# Altium PCB Electronic Load 20251104.PcbDoc (part 1 of 4)
Units mm, origin at the board's own origin, x right, y up, seen from the top; angles counter-clockwise.
Board outline 206 x 70 mm, 6 copper layers (L1, L2, L3, L4, L5, L6), stack 1.609 mm thick; 684 components, 363 nets, 1727 pads, 147 vias.
Unrouted connection lines stored in the file: 1081.
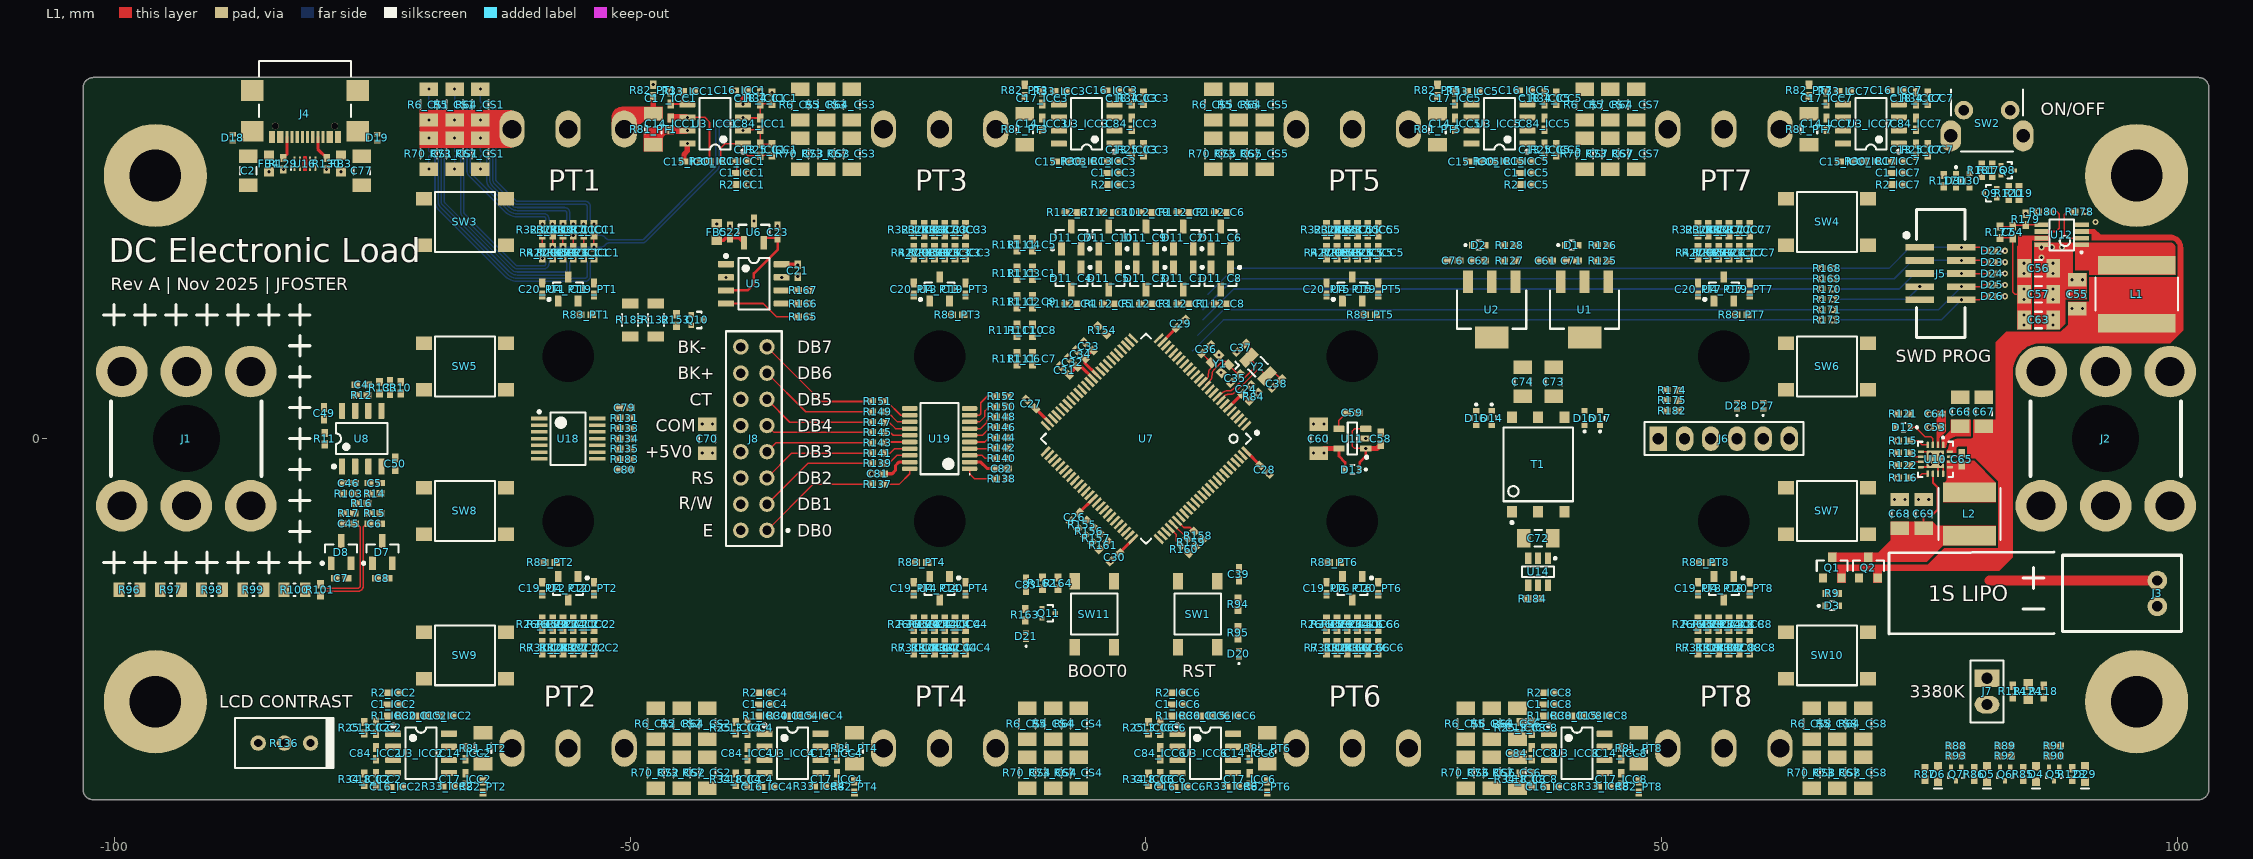
[diagram p0: L1 view]
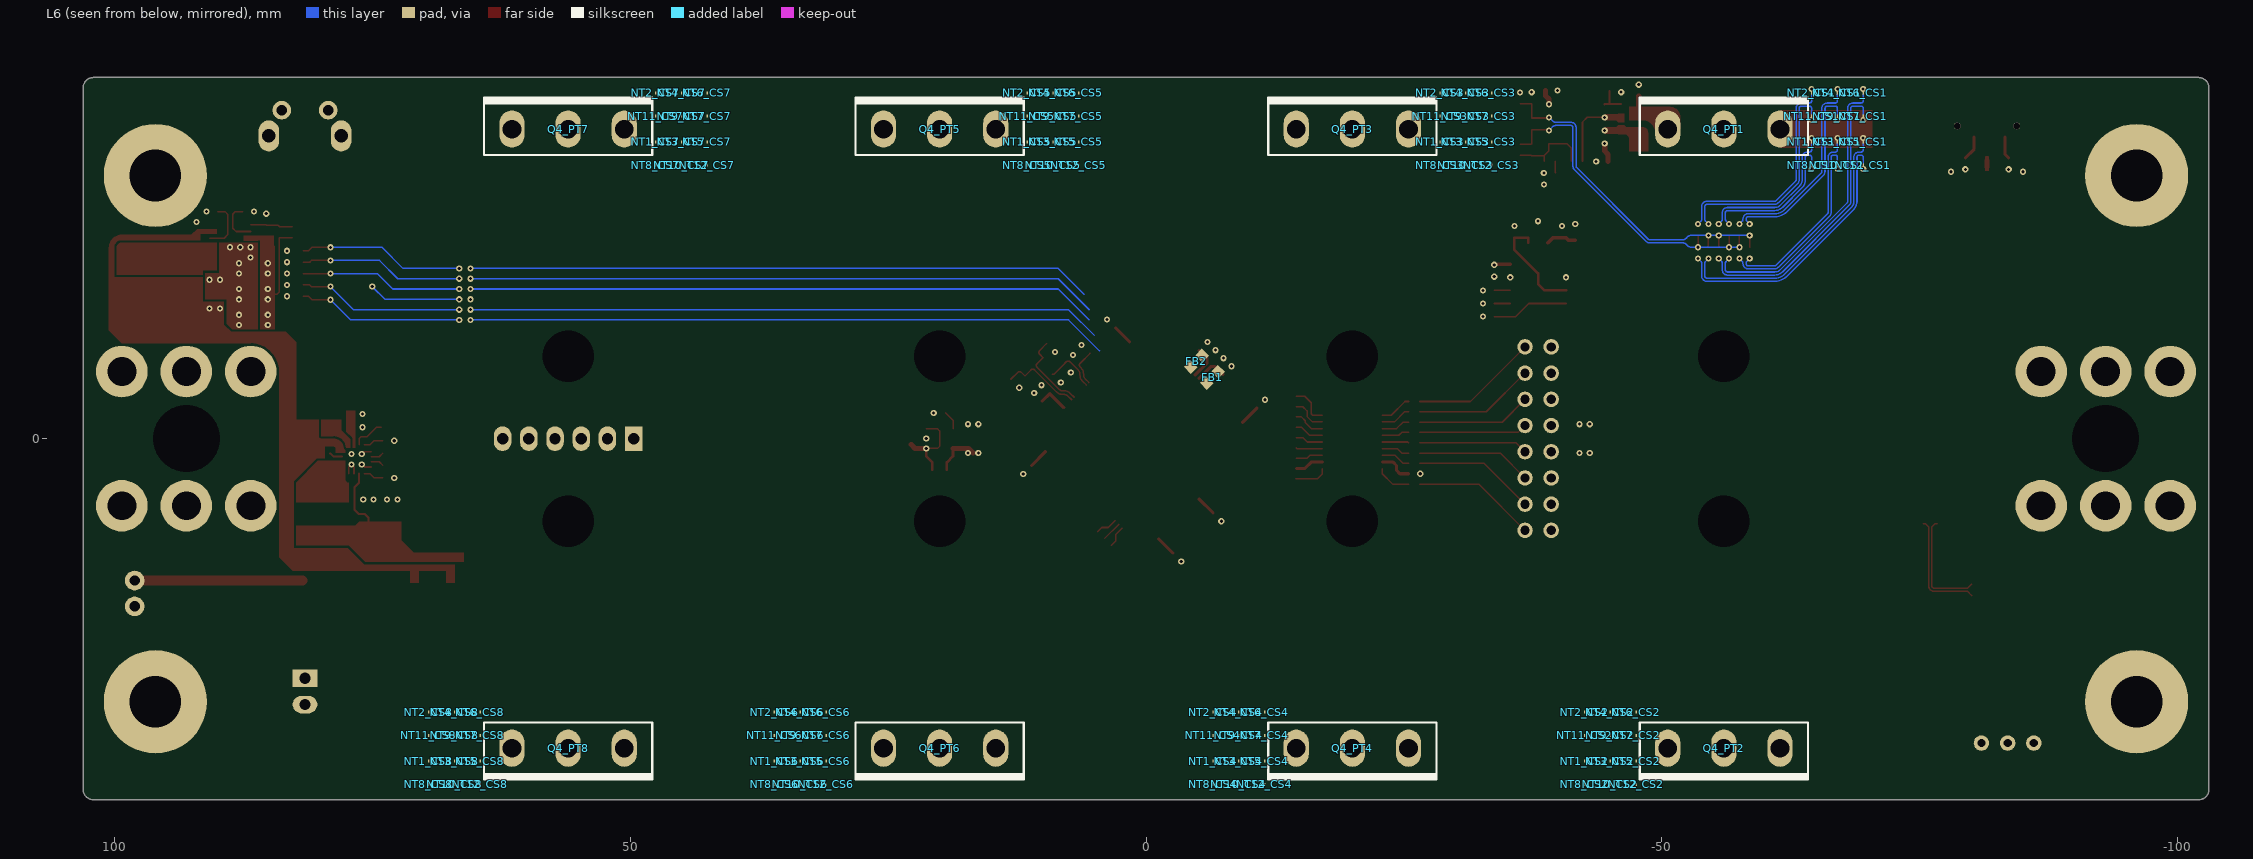
[diagram p1: L6 view, seen from below]
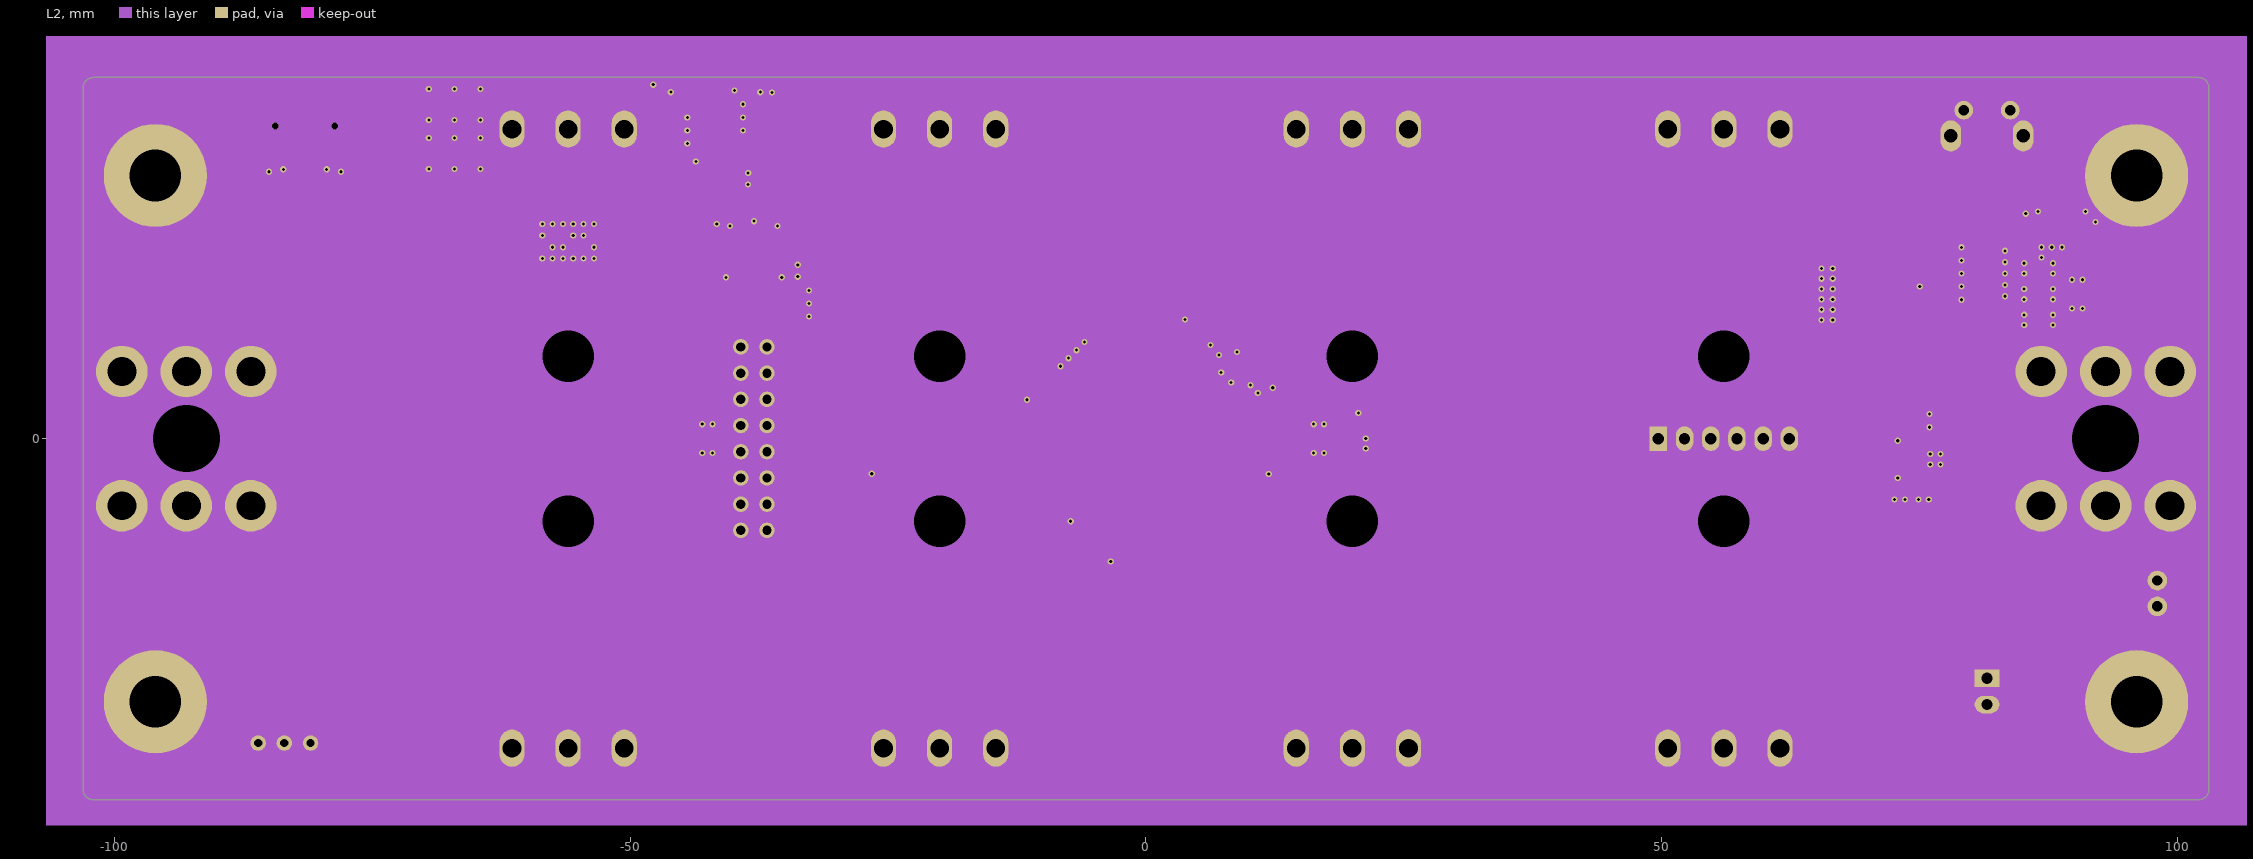
[diagram p2: L2]

## Layer stack, top to bottom
Top Solder: solder mask 0.0102, Solder Resist, Dk 3.5
L1: signal copper 0.035
Dielectric 1: prepreg 0.203, 7628*1, Dk 4.1
L2: signal copper 0.03
Dielectric 2: prepreg 0.25, Core, Dk 4.1
L3: signal copper 0.03
Dielectric 3: prepreg 0.203, 7628*1, Dk 4.1
Dielectric 4: dielectric 0.107, 3313*1, Dk 4.8
Dielectric 5: prepreg 0.203, 7628*1, Dk 4.1
L4: signal copper 0.03
Dielectric 6: prepreg 0.25, Core, Dk 4.1
L5: signal copper 0.03
Dielectric 7: prepreg 0.203, 7628*1, Dk 4.1
L6: signal copper 0.035
Bottom Solder: solder mask 0.0102, Solder Resist, Dk 3.5

## Board outline
-102,-35 cw(c-102,-34) -103,-34 -103,34 cw(c-102,34) -102,35 102,35 cw(c102,34) 103,34 103,-34 cw(c102,-34) 102,-35

## Design rules (kind name [scope] priority, off if disabled: settings)
Clearance [All] p1: gap=0.254 ignorepadtopadclearanceinfootprint=FALSE
DiffPairsRouting [All] p1: maxlimit=0.254 minlimit=0.254 mostfreqgap=0.254 toplayer_minwidth=0.381 toplayer_maxwidth=0.381 toplayer_prefwidth=0.381 midlayer1_minwidth=0.381 midlayer1_maxwidth=0.381 midlayer1_prefwidth=0.381 midlayer2_minwidth=0.381 midlayer2_maxwidth=0.381 midlayer2_prefwidth=0.381 midlayer3_minwidth=0.381 midlayer3_maxwidth=0.381 midlayer3_prefwidth=0.381 midlayer4_minwidth=0.381 midlayer4_maxwidth=0.381 midlayer4_prefwidth=0.381 bottomlayer_minwidth=0.381 bottomlayer_maxwidth=0.381 bottomlayer_prefwidth=0.381 maxuncoupledlength=12.7
PolygonConnect [All] p1: connectstyle=Relief reliefconductorwidth=0.254 reliefentries=4 polygonreliefangle="90 Angle" airgapwidth=0.254
RoomDefinition PT2 [InComponentClass('PT2')] p1: confinementstyle=ConfineIn formatcopy=TRUE lockcomponents=FALSE outline -47.25,-17 -65.75,-17 -65.75,-33.75 -47.25,-33.75
RoomDefinition PT3 [InComponentClass('PT3')] p2: confinementstyle=ConfineIn formatcopy=TRUE lockcomponents=FALSE outline -27.75,19.75 -9.25,19.75 -9.25,36.5 -27.75,36.5
RoomDefinition PT4 [InComponentClass('PT4')] p3: confinementstyle=ConfineIn formatcopy=TRUE lockcomponents=FALSE outline -11.25,-17 -29.75,-17 -29.75,-33.75 -11.25,-33.75
RoomDefinition PT5 [InComponentClass('PT5')] p4: confinementstyle=ConfineIn formatcopy=TRUE lockcomponents=FALSE outline 10,21.25 28.5,21.25 28.5,38 10,38
RoomDefinition PT6 [InComponentClass('PT6')] p5: confinementstyle=ConfineIn formatcopy=TRUE lockcomponents=FALSE outline 28.75,-17 10.25,-17 10.25,-33.75 28.75,-33.75
RoomDefinition PT7 [InComponentClass('PT7')] p6: confinementstyle=ConfineIn formatcopy=TRUE lockcomponents=FALSE outline 45.3,21.75 63.8,21.75 63.8,38.5 45.3,38.5
RoomDefinition PT8 [InComponentClass('PT8')] p7: confinementstyle=ConfineIn formatcopy=TRUE lockcomponents=FALSE outline 64.75,-17 46.25,-17 46.25,-33.75 64.75,-33.75
RoomDefinition PT1 [InComponentClass('PT1')] p8: confinementstyle=ConfineIn formatcopy=TRUE lockcomponents=FALSE outline -64.75,17 -46.25,17 -46.25,33.75 -64.75,33.75
RoomDefinition ICC8 [InComponentClass('ICC8')] p9: confinementstyle=ConfineIn formatcopy=TRUE lockcomponents=FALSE outline 74,-16.95 44.25,-16.95 44.25,-38.95 74,-38.95
RoomDefinition ICC7 [InComponentClass('ICC7')] p10: confinementstyle=ConfineIn formatcopy=TRUE lockcomponents=FALSE outline 37.75,15.95 67.5,15.95 67.5,37.95 37.75,37.95
RoomDefinition ICC6 [InComponentClass('ICC6')] p11: confinementstyle=ConfineIn formatcopy=TRUE lockcomponents=FALSE outline 38.5,-16.95 8.75,-16.95 8.75,-38.95 38.5,-38.95
RoomDefinition ICC5 [InComponentClass('ICC5')] p12: confinementstyle=ConfineIn formatcopy=TRUE lockcomponents=FALSE outline 0.75,15.2 30.5,15.2 30.5,37.2 0.75,37.2
RoomDefinition ICC4 [InComponentClass('ICC4')] p13: confinementstyle=ConfineIn formatcopy=TRUE lockcomponents=FALSE outline -2,-15.95 -31.75,-15.95 -31.75,-37.95 -2,-37.95
RoomDefinition ICC3 [InComponentClass('ICC3')] p14: confinementstyle=ConfineIn formatcopy=TRUE lockcomponents=FALSE outline -37.5,15.95 -7.75,15.95 -7.75,37.95 -37.5,37.95
RoomDefinition ICC2 [InComponentClass('ICC2')] p15: confinementstyle=ConfineIn formatcopy=TRUE lockcomponents=FALSE outline -37.5,-16.45 -67.25,-16.45 -67.25,-38.45 -37.5,-38.45
RoomDefinition ICC1 [InComponentClass('ICC1')] p16: confinementstyle=ConfineIn formatcopy=TRUE lockcomponents=FALSE outline -73.25,15.75 -43.5,15.75 -43.5,37.75 -73.25,37.75
RoomDefinition CS8 [InComponentClass('CS8')] p17: confinementstyle=ConfineIn formatcopy=TRUE lockcomponents=FALSE outline 64.158,-35.267 72.158,-35.267 72.158,-24.767 64.158,-24.767
RoomDefinition CS7 [InComponentClass('CS7')] p18: confinementstyle=ConfineIn formatcopy=TRUE lockcomponents=FALSE outline 39.25,23.375 47.25,23.375 47.25,33.875 39.25,33.875
RoomDefinition CS6 [InComponentClass('CS6')] p19: confinementstyle=ConfineIn formatcopy=TRUE lockcomponents=FALSE outline 30,-33.375 38,-33.375 38,-22.875 30,-22.875
RoomDefinition CS5 [InComponentClass('CS5')] p20: confinementstyle=ConfineIn formatcopy=TRUE lockcomponents=FALSE outline 1.5,23.625 9.5,23.625 9.5,34.125 1.5,34.125
RoomDefinition CS4 [InComponentClass('CS4')] p21: confinementstyle=ConfineIn formatcopy=TRUE lockcomponents=FALSE outline -10.5,-36.625 -2.5,-36.625 -2.5,-26.125 -10.5,-26.125
RoomDefinition CS3 [InComponentClass('CS3')] p22: confinementstyle=ConfineIn formatcopy=TRUE lockcomponents=FALSE outline -35,24.875 -27,24.875 -27,35.375 -35,35.375
RoomDefinition CS2 [InComponentClass('CS2')] p23: confinementstyle=ConfineIn formatcopy=TRUE lockcomponents=FALSE outline -47,-34.375 -39,-34.375 -39,-23.875 -47,-23.875
RoomDefinition CS1 [InComponentClass('CS1')] p24: confinementstyle=ConfineIn formatcopy=TRUE lockcomponents=FALSE outline -71,24.75 -63,24.75 -63,35.25 -71,35.25
RoutingVias [All] p1: holewidth=0.711 width=1.27 viastyle="Through Hole" minholewidth=0.711 minwidth=1.27 maxholewidth=0.711 maxwidth=1.27
SolderMaskExpansion [All] p1: expansion=0.102 istentingtop=FALSE
Width [All] p1: maxlimit=1 minlimit=0.15 preferedwidth=0.25
29 further rules are at their usual default settings.

## Classes and differential pairs
net class TEMP.T[1..8]: TEMP.T1 TEMP.T2 TEMP.T3 TEMP.T4 TEMP.T5 TEMP.T6 TEMP.T7 TEMP.T8
differential pair class D90: USB.D
channel class "Pass Transistor": PT1 PT2 PT3 PT4 PT5 PT6 PT7 PT8
channel class "IGBT Current Control": ICC1 ICC2 ICC3 ICC4 ICC5 ICC6 ICC7 ICC8
channel class "Current Shunts": CS1 CS2 CS3 CS4 CS5 CS6 CS7 CS8
channel class "Control Loop": CL1 CL2 CL3 CL4 CL5 CL6 CL7 CL8
channel class Clamp: C1 C2 C3 C4 C5 C6 C7 C8 C9 C10
component class VS: C3 C4 C5 C6 C7 C8 C45 C46 C49 C50 D7 D8 R10 R11 R12 R13 R14 R15 R16 R17 R96 R97 R98 R99 R100 R101 R103 U8
component class UI: C2 C70 C77 C79 C80 C81 C82 D18 D19 D22 D23 D24 D25 D26 D27 D28 FB3 FB4 J4 J5 J6 J8 Q10 R129 R130 R131 R132 R133 R134 R135 R136 R137 R138 R139 R140 R141 R142 R143 R144 R145 R146 R147 R148 R149 R150 R151 R152 R153 R154 R155 R156 R157 R158 R159 R160 R161 R168 R169 R170 R171 R172 R173 R174 R175 R182 R183 R185 SW3 SW4 SW5 SW6 SW7 SW8 SW9 SW10 U16 U18 U19
component class PT8: C19_PT8 C20_PT8 Q4_PT8 R81_PT8 R82_PT8 R83_PT8 U4_PT8
component class PT7: C19_PT7 C20_PT7 Q4_PT7 R81_PT7 R82_PT7 R83_PT7 U4_PT7
component class PT6: C19_PT6 C20_PT6 Q4_PT6 R81_PT6 R82_PT6 R83_PT6 U4_PT6
component class PT5: C19_PT5 C20_PT5 Q4_PT5 R81_PT5 R82_PT5 R83_PT5 U4_PT5
component class PT4: C19_PT4 C20_PT4 Q4_PT4 R81_PT4 R82_PT4 R83_PT4 U4_PT4
component class PT3: C19_PT3 C20_PT3 Q4_PT3 R81_PT3 R82_PT3 R83_PT3 U4_PT3
component class PT2: C19_PT2 C20_PT2 Q4_PT2 R81_PT2 R82_PT2 R83_PT2 U4_PT2
component class PT1: C19_PT1 C20_PT1 Q4_PT1 R81_PT1 R82_PT1 R83_PT1 U4_PT1
component class PP2: C61 C62 C71 C72 C73 C74 C76 D1 D2 D14 D15 D16 D17 R125 R126 R127 R128 R184 T1 U1 U2 U14
component class PP1: C53 C54 C55 C56 C57 C58 C59 C60 C63 C64 C65 C66 C67 C68 C69 D3 D12 D13 D29 D30 D31 J3 J7 L1 L2 Q1 Q2 Q8 Q9 R9 R113 R114 R115 R116 R117 R118 R119 R120 R121 R122 R123 R124 R176 R177 R178 R179 R180 R181 SW2 U10 U11 U12
component class MCU: C24 C26 C27 C28 C29 C30 C31 C32 C33 C34 C35 C36 C37 C38 C39 C83 D4 D5 D6 D20 D21 FB1 FB2 Q5 Q6 Q7 Q11 R84 R85 R86 R87 R88 R89 R90 R91 R92 R93 R94 R95 R162 R163 R164 SW1 SW11 U7 Y1 Y2
component class ICC8: C1_ICC8 C13_ICC8 C14_ICC8 C15_ICC8 C16_ICC8 C17_ICC8 C18_ICC8 C84_ICC8 R1_ICC8 R2_ICC8 R3_ICC8 R4_ICC8 R7_ICC8 R8_ICC8 R25_ICC8 R26_ICC8 R27_ICC8 R28_ICC8 R29_ICC8 R30_ICC8 R31_ICC8 R32_ICC8 R33_ICC8 R34_ICC8 R35_ICC8 R36_ICC8 U3_ICC8
component class ICC7: C1_ICC7 C13_ICC7 C14_ICC7 C15_ICC7 C16_ICC7 C17_ICC7 C18_ICC7 C84_ICC7 R1_ICC7 R2_ICC7 R3_ICC7 R4_ICC7 R7_ICC7 R8_ICC7 R25_ICC7 R26_ICC7 R27_ICC7 R28_ICC7 R29_ICC7 R30_ICC7 R31_ICC7 R32_ICC7 R33_ICC7 R34_ICC7 R35_ICC7 R36_ICC7 U3_ICC7
component class ICC6: C1_ICC6 C13_ICC6 C14_ICC6 C15_ICC6 C16_ICC6 C17_ICC6 C18_ICC6 C84_ICC6 R1_ICC6 R2_ICC6 R3_ICC6 R4_ICC6 R7_ICC6 R8_ICC6 R25_ICC6 R26_ICC6 R27_ICC6 R28_ICC6 R29_ICC6 R30_ICC6 R31_ICC6 R32_ICC6 R33_ICC6 R34_ICC6 R35_ICC6 R36_ICC6 U3_ICC6
component class ICC5: C1_ICC5 C13_ICC5 C14_ICC5 C15_ICC5 C16_ICC5 C17_ICC5 C18_ICC5 C84_ICC5 R1_ICC5 R2_ICC5 R3_ICC5 R4_ICC5 R7_ICC5 R8_ICC5 R25_ICC5 R26_ICC5 R27_ICC5 R28_ICC5 R29_ICC5 R30_ICC5 R31_ICC5 R32_ICC5 R33_ICC5 R34_ICC5 R35_ICC5 R36_ICC5 U3_ICC5
component class ICC4: C1_ICC4 C13_ICC4 C14_ICC4 C15_ICC4 C16_ICC4 C17_ICC4 C18_ICC4 C84_ICC4 R1_ICC4 R2_ICC4 R3_ICC4 R4_ICC4 R7_ICC4 R8_ICC4 R25_ICC4 R26_ICC4 R27_ICC4 R28_ICC4 R29_ICC4 R30_ICC4 R31_ICC4 R32_ICC4 R33_ICC4 R34_ICC4 R35_ICC4 R36_ICC4 U3_ICC4
component class ICC3: C1_ICC3 C13_ICC3 C14_ICC3 C15_ICC3 C16_ICC3 C17_ICC3 C18_ICC3 C84_ICC3 R1_ICC3 R2_ICC3 R3_ICC3 R4_ICC3 R7_ICC3 R8_ICC3 R25_ICC3 R26_ICC3 R27_ICC3 R28_ICC3 R29_ICC3 R30_ICC3 R31_ICC3 R32_ICC3 R33_ICC3 R34_ICC3 R35_ICC3 R36_ICC3 U3_ICC3
component class ICC2: C1_ICC2 C13_ICC2 C14_ICC2 C15_ICC2 C16_ICC2 C17_ICC2 C18_ICC2 C84_ICC2 R1_ICC2 R2_ICC2 R3_ICC2 R4_ICC2 R7_ICC2 R8_ICC2 R25_ICC2 R26_ICC2 R27_ICC2 R28_ICC2 R29_ICC2 R30_ICC2 R31_ICC2 R32_ICC2 R33_ICC2 R34_ICC2 R35_ICC2 R36_ICC2 U3_ICC2
component class ICC1: C1_ICC1 C13_ICC1 C14_ICC1 C15_ICC1 C16_ICC1 C17_ICC1 C18_ICC1 C84_ICC1 R1_ICC1 R2_ICC1 R3_ICC1 R4_ICC1 R7_ICC1 R8_ICC1 R25_ICC1 R26_ICC1 R27_ICC1 R28_ICC1 R29_ICC1 R30_ICC1 R31_ICC1 R32_ICC1 R33_ICC1 R34_ICC1 R35_ICC1 R36_ICC1 U3_ICC1
component class "Electronic Load Top": J1 J2
component class DAC: C21 C22 C23 FB5 R165 R166 R167 U5 U6
component class CS8: NT1_CS8 NT2_CS8 NT3_CS8 NT4_CS8 NT5_CS8 NT6_CS8 NT7_CS8 NT8_CS8 NT9_CS8 NT10_CS8 NT11_CS8 NT12_CS8 R5_CS8 R6_CS8 R64_CS8 R67_CS8 R70_CS8 R73_CS8
component class CS7: NT1_CS7 NT2_CS7 NT3_CS7 NT4_CS7 NT5_CS7 NT6_CS7 NT7_CS7 NT8_CS7 NT9_CS7 NT10_CS7 NT11_CS7 NT12_CS7 R5_CS7 R6_CS7 R64_CS7 R67_CS7 R70_CS7 R73_CS7
component class CS6: NT1_CS6 NT2_CS6 NT3_CS6 NT4_CS6 NT5_CS6 NT6_CS6 NT7_CS6 NT8_CS6 NT9_CS6 NT10_CS6 NT11_CS6 NT12_CS6 R5_CS6 R6_CS6 R64_CS6 R67_CS6 R70_CS6 R73_CS6
component class CS5: NT1_CS5 NT2_CS5 NT3_CS5 NT4_CS5 NT5_CS5 NT6_CS5 NT7_CS5 NT8_CS5 NT9_CS5 NT10_CS5 NT11_CS5 NT12_CS5 R5_CS5 R6_CS5 R64_CS5 R67_CS5 R70_CS5 R73_CS5
component class CS4: NT1_CS4 NT2_CS4 NT3_CS4 NT4_CS4 NT5_CS4 NT6_CS4 NT7_CS4 NT8_CS4 NT9_CS4 NT10_CS4 NT11_CS4 NT12_CS4 R5_CS4 R6_CS4 R64_CS4 R67_CS4 R70_CS4 R73_CS4
component class CS3: NT1_CS3 NT2_CS3 NT3_CS3 NT4_CS3 NT5_CS3 NT6_CS3 NT7_CS3 NT8_CS3 NT9_CS3 NT10_CS3 NT11_CS3 NT12_CS3 R5_CS3 R6_CS3 R64_CS3 R67_CS3 R70_CS3 R73_CS3
component class CS2: NT1_CS2 NT2_CS2 NT3_CS2 NT4_CS2 NT5_CS2 NT6_CS2 NT7_CS2 NT8_CS2 NT9_CS2 NT10_CS2 NT11_CS2 NT12_CS2 R5_CS2 R6_CS2 R64_CS2 R67_CS2 R70_CS2 R73_CS2
component class CS1: NT1_CS1 NT2_CS1 NT3_CS1 NT4_CS1 NT5_CS1 NT6_CS1 NT7_CS1 NT8_CS1 NT9_CS1 NT10_CS1 NT11_CS1 NT12_CS1 R5_CS1 R6_CS1 R64_CS1 R67_CS1 R70_CS1 R73_CS1
component class C10: D11_C10 R111_C10 R112_C10
component class C9: D11_C9 R111_C9 R112_C9
component class C8: D11_C8 R111_C8 R112_C8
component class C7: D11_C7 R111_C7 R112_C7
component class C6: D11_C6 R111_C6 R112_C6
component class C5: D11_C5 R111_C5 R112_C5
component class C4: D11_C4 R111_C4 R112_C4
component class C3: D11_C3 R111_C3 R112_C3
component class C2: D11_C2 R111_C2 R112_C2
component class C1: D11_C1 R111_C1 R112_C1
differential pair USB.D: +USB.D_P -USB.D_N

## Components (designator, comment, footprint, x,y, rotation, side; value= is the part's Value field where it differs from the comment)
C1_ICC1 "Omit,0402" CAPC1005X06N -39.125,25.75 r180 top value=Omit (schematic designator C1)
C1_ICC2 "Omit,0402" CAPC1005X06N -72.875,-25.75 r0 top value=Omit (schematic designator C1)
C1_ICC3 "Omit,0402" CAPC1005X06N -3.125,25.75 r180 top value=Omit (schematic designator C1)
C1_ICC4 "Omit,0402" CAPC1005X06N -36.875,-25.75 r0 top value=Omit (schematic designator C1)
C1_ICC5 "Omit,0402" CAPC1005X06N 36.875,25.75 r180 top value=Omit (schematic designator C1)
C1_ICC6 "Omit,0402" CAPC1005X06N 3.125,-25.75 r0 top value=Omit (schematic designator C1)
C1_ICC7 "Omit,0402" CAPC1005X06N 72.875,25.75 r180 top value=Omit (schematic designator C1)
C1_ICC8 "Omit,0402" CAPC1005X06N 39.125,-25.75 r0 top value=Omit (schematic designator C1)
C2 "10uF,20%,50V,X5R,1206" CAPC3216X16N -87,25.95 r90 top value=10u
C3 "Omit,0402" CAPC1005X06N -73.25,4.95 r270 top value=Omit
C4 "Omit,0402" CAPC1005X06N -76,5.225 r0 top value=Omit
C5 "Omit,0402" CAPC1005X06N -74.73,-4.3 r180 top value=Omit
C6 "Omit,0402" CAPC1005X06N -74.73,-8.25 r180 top value=Omit
C7 "100nF,10%,50V,X7R,0402" CAPC1005X06N -78,-13.525 r0 top value=100n
C8 "100nF,10%,50V,X7R,0402" CAPC1005X06N -74,-13.525 r0 top value=100n
C13_ICC1 "Omit,0402" CAPC1005X06N -37.375,28 r90 top value=Omit (schematic designator C13)
C13_ICC2 "Omit,0402" CAPC1005X06N -74.625,-28 r270 top value=Omit (schematic designator C13)
C13_ICC3 "Omit,0402" CAPC1005X06N -1.375,28 r90 top value=Omit (schematic designator C13)
C13_ICC4 "Omit,0402" CAPC1005X06N -38.625,-28 r270 top value=Omit (schematic designator C13)
C13_ICC5 "Omit,0402" CAPC1005X06N 38.625,28 r90 top value=Omit (schematic designator C13)
C13_ICC6 "Omit,0402" CAPC1005X06N 1.375,-28 r270 top value=Omit (schematic designator C13)
C13_ICC7 "Omit,0402" CAPC1005X06N 74.625,28 r90 top value=Omit (schematic designator C13)
C13_ICC8 "Omit,0402" CAPC1005X06N 37.375,-28 r270 top value=Omit (schematic designator C13)
C14_ICC1 "10nF,10%,25V,X7R,0402" CAPC1005X06N -46.05,30.5 r270 top value=10n (schematic designator C14)
C14_ICC2 "10nF,10%,25V,X7R,0402" CAPC1005X06N -65.95,-30.5 r90 top value=10n (schematic designator C14)
C14_ICC3 "10nF,10%,25V,X7R,0402" CAPC1005X06N -10.05,30.5 r270 top value=10n (schematic designator C14)
C14_ICC4 "10nF,10%,25V,X7R,0402" CAPC1005X06N -29.95,-30.5 r90 top value=10n (schematic designator C14)
C14_ICC5 "10nF,10%,25V,X7R,0402" CAPC1005X06N 29.95,30.5 r270 top value=10n (schematic designator C14)
C14_ICC6 "10nF,10%,25V,X7R,0402" CAPC1005X06N 10.05,-30.5 r90 top value=10n (schematic designator C14)
C14_ICC7 "10nF,10%,25V,X7R,0402" CAPC1005X06N 65.95,30.5 r270 top value=10n (schematic designator C14)
C14_ICC8 "10nF,10%,25V,X7R,0402" CAPC1005X06N 46.05,-30.5 r90 top value=10n (schematic designator C14)
C15_ICC1 "100nF,10%,50V,X7R,0402" CAPC1005X06N -44.2,26.85 r180 top value=100n (schematic designator C15)
C15_ICC2 "100nF,10%,50V,X7R,0402" CAPC1005X06N -67.8,-26.85 r0 top value=100n (schematic designator C15)
C15_ICC3 "100nF,10%,50V,X7R,0402" CAPC1005X06N -8.2,26.85 r180 top value=100n (schematic designator C15)
C15_ICC4 "100nF,10%,50V,X7R,0402" CAPC1005X06N -31.8,-26.85 r0 top value=100n (schematic designator C15)
C15_ICC5 "100nF,10%,50V,X7R,0402" CAPC1005X06N 31.8,26.85 r180 top value=100n (schematic designator C15)
C15_ICC6 "100nF,10%,50V,X7R,0402" CAPC1005X06N 8.2,-26.85 r0 top value=100n (schematic designator C15)
C15_ICC7 "100nF,10%,50V,X7R,0402" CAPC1005X06N 67.8,26.85 r180 top value=100n (schematic designator C15)
C15_ICC8 "100nF,10%,50V,X7R,0402" CAPC1005X06N 44.2,-26.85 r0 top value=100n (schematic designator C15)
C16_ICC1 "100nF,10%,50V,X7R,0402" CAPC1005X06N -39.3,33.75 r0 top value=100n (schematic designator C16)
C16_ICC2 "100nF,10%,50V,X7R,0402" CAPC1005X06N -72.7,-33.75 r180 top value=100n (schematic designator C16)
C16_ICC3 "100nF,10%,50V,X7R,0402" CAPC1005X06N -3.3,33.75 r0 top value=100n (schematic designator C16)
C16_ICC4 "100nF,10%,50V,X7R,0402" CAPC1005X06N -36.7,-33.75 r180 top value=100n (schematic designator C16)
C16_ICC5 "100nF,10%,50V,X7R,0402" CAPC1005X06N 36.7,33.75 r0 top value=100n (schematic designator C16)
C16_ICC6 "100nF,10%,50V,X7R,0402" CAPC1005X06N 3.3,-33.75 r180 top value=100n (schematic designator C16)
C16_ICC7 "100nF,10%,50V,X7R,0402" CAPC1005X06N 72.7,33.75 r0 top value=100n (schematic designator C16)
C16_ICC8 "100nF,10%,50V,X7R,0402" CAPC1005X06N 39.3,-33.75 r180 top value=100n (schematic designator C16)
C17_ICC1 "10nF,10%,25V,X7R,0402" CAPC1005X06N -46.05,33 r270 top value=10n (schematic designator C17)
C17_ICC2 "10nF,10%,25V,X7R,0402" CAPC1005X06N -65.95,-33 r90 top value=10n (schematic designator C17)
C17_ICC3 "10nF,10%,25V,X7R,0402" CAPC1005X06N -10.05,33 r270 top value=10n (schematic designator C17)
C17_ICC4 "10nF,10%,25V,X7R,0402" CAPC1005X06N -29.95,-33 r90 top value=10n (schematic designator C17)
C17_ICC5 "10nF,10%,25V,X7R,0402" CAPC1005X06N 29.95,33 r270 top value=10n (schematic designator C17)
C17_ICC6 "10nF,10%,25V,X7R,0402" CAPC1005X06N 10.05,-33 r90 top value=10n (schematic designator C17)
C17_ICC7 "10nF,10%,25V,X7R,0402" CAPC1005X06N 65.95,33 r270 top value=10n (schematic designator C17)
C17_ICC8 "10nF,10%,25V,X7R,0402" CAPC1005X06N 46.05,-33 r90 top value=10n (schematic designator C17)
C18_ICC1 "Omit,0402" CAPC1005X06N -37.375,33 r270 top value=Omit (schematic designator C18)
C18_ICC2 "Omit,0402" CAPC1005X06N -74.625,-33 r90 top value=Omit (schematic designator C18)
C18_ICC3 "Omit,0402" CAPC1005X06N -1.375,33 r270 top value=Omit (schematic designator C18)
C18_ICC4 "Omit,0402" CAPC1005X06N -38.625,-33 r90 top value=Omit (schematic designator C18)
C18_ICC5 "Omit,0402" CAPC1005X06N 38.625,33 r270 top value=Omit (schematic designator C18)
C18_ICC6 "Omit,0402" CAPC1005X06N 1.375,-33 r90 top value=Omit (schematic designator C18)
C18_ICC7 "Omit,0402" CAPC1005X06N 74.625,33 r270 top value=Omit (schematic designator C18)
C18_ICC8 "Omit,0402" CAPC1005X06N 37.375,-33 r90 top value=Omit (schematic designator C18)
C19_PT1 "100nF,10%,50V,X7R,0402" CAPC1005X06N -53.5,14.5 r270 top value=100n (schematic designator C19)
C19_PT2 "100nF,10%,50V,X7R,0402" CAPC1005X06N -58.5,-14.5 r90 top value=100n (schematic designator C19)
C19_PT3 "100nF,10%,50V,X7R,0402" CAPC1005X06N -17.5,14.5 r270 top value=100n (schematic designator C19)